# Altium PCB RFFE_Controller.PcbDoc (part 1 of 2) (continued)
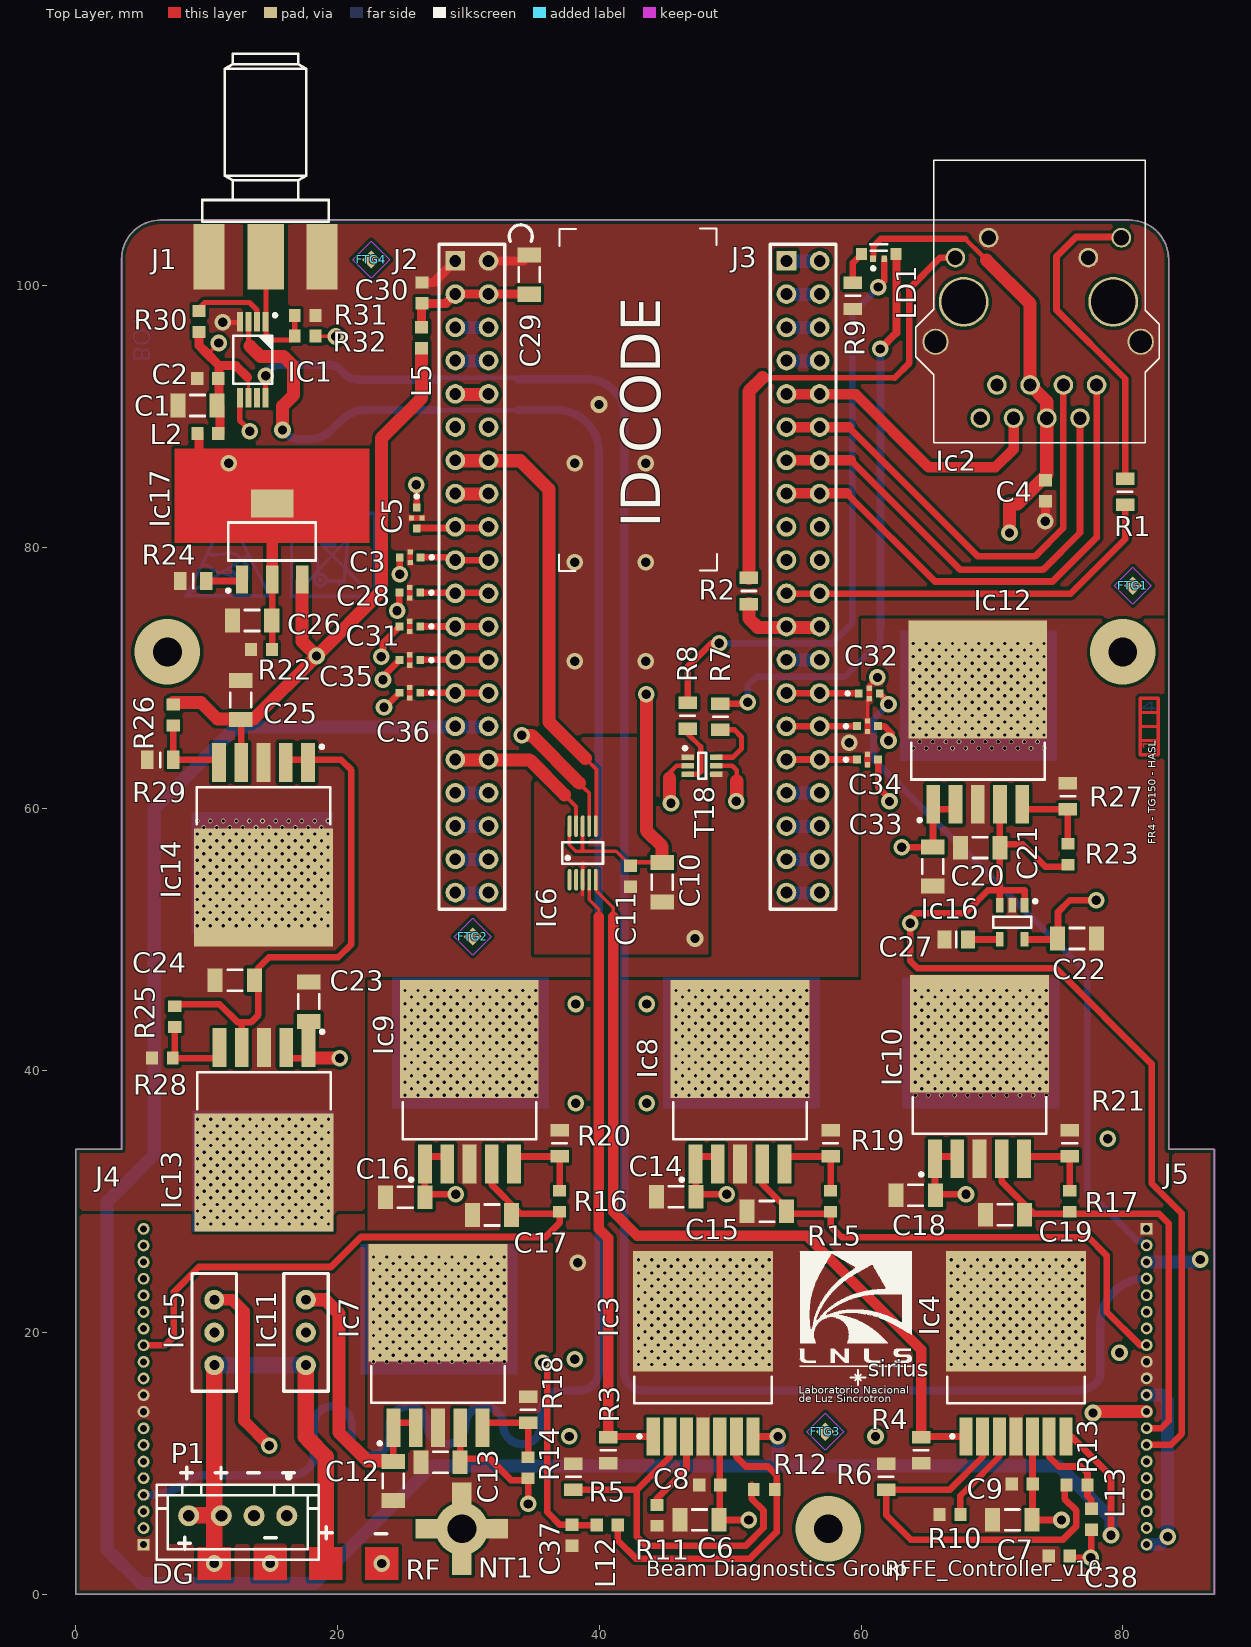
[diagram p0: Top Layer view]
## Footprints (in the part's own frame and the unit in brackets; to place one, negate y for a bottom-side part, rotate by r counter-clockwise, add the part's x,y. Pads: shape width x height; smd on the part's side, far side on the other; paste and mask are expansions set on the pad)
10-MSOP [mm] "TSSOP, 10-Leads, Body 3.1x3.1mm (max), Pitch 0.50mm, IPC Medium Density"
  oval 1.65x0.3 smd: 1(-2.05,1) 2(-2.05,0.5) 3(-2.05,0) 4(-2.05,-0.5) 5(-2.05,-1) 6(2.05,-1) 7(2.05,-0.5) 8(2.05,0) 9(2.05,0.5) 10(2.05,1)
  silkscreen extent -0.83,-1.55 0.82,1.55, body extent -1.55,-1.55 1.55,1.55, height 1.1
CAPC1608X87N [mm] "Chip Capacitor, Body 1.6x0.8mm IPC Medium Density"
  rect 0.95x1 smd: 1(-0.8,0) 2(0.8,0)
  body extent -0.87,-0.47 0.88,0.48, height 0.87
CAPC2012X135N [mm]
  rect 1.05x1.4 smd: 1(-0.9,0) 2(0.9,0)
  silkscreen extent 0,-0.58 0,0.58, body extent -1.05,-0.67 1.05,0.68, height 1.25
CAPC3216X180N [mm] "Chip Capacitor, Body 3.2x1.6mm, IPC Medium Density"
  rect 1.15x1.8 smd: 1(-1.5,0) 2(1.5,0)
  silkscreen extent -0.55,-0.8 0.55,0.8, body extent -1.7,-0.9 1.7,0.9, height 1.8
CAPC_MURATA_NFL18ST [mm] "EMIFIL Chip Capacitor, Body 1.6x0.8mm, MURATA NFL18ST Series"
  rect 0.6x0.6 smd: 1(-0.8,0) 3(0.8,0)
  rect 0.4x0.4 smd: 2(0,0.4) 2(0,-0.4)
  Top Layer region: -0.2,0.6 -0.2,-0.6 0.2,-0.6 0.2,0.6
  silkscreen extent -1.78,-0.12 -1.53,0.12
FIDUCIAL_TOP_S100-200 [mm] "Square Fiducial Target, Top Layer, 1.0mm, Top Solder 2.0mm, Keepout =2.0mm"
  rect 1x1 smd rot 45 paste-0.51 mask+0.5: 1(0,0)
  Top Layer keep-out region: 1.414,0 0,-1.414 -1.414,0 0,1.414
Filter_EMI_Radial-3 [mil]
  round 60 hole 30: 1(-98.43,0) 2(0,0) 3(98.43,0)
  silkscreen extent -177,-67 177,67, body extent -172,-62 172,62, height 315
INDC1608X95N [mm] "Chip Inductor, 2-Leads, EIA 0603, Metric 1608, Body 1.6x0.8mm, IPC Medium Density"
  rect 0.95x1 smd: 1(-0.8,0) 2(0.8,0)
  body extent -0.87,-0.47 0.88,0.48, height 0.95
J0006D21BNL [mm]
  round 1.5 hole 1: 1(0,0) 2(2.54,-1.27) 3(0,-2.54) 4(2.54,-3.81) 5(0,-5.08) 6(2.54,-6.35) 7(0,-7.62) 8(2.54,-8.89)
  round 1.5 hole 1.2: 9(-11.25,1.884)
  round 1.5 hole 1.1: 10(-9.731,-0.635) 11(-11.25,-8.255) 12(-9.731,-10.795)
  round 2 hole 1.7: 13(-3.301,3.365) 14(-3.301,-12.316)
  round 3.8 hole 3.4: 15(-6.35,1.27) 16(-6.35,-10.16)
  silkscreen extent -17.15,-13.82 4.43,4.78, body extent -17.15,-12.47 4.15,3.52, height 13
JOHNSON_142-0701-873 [mm] "SMA End Launch Straight Bulkhead Jack Receptacle - Round Contact"
  rect 5x2.794 smd: 1(0,0)
  rect 5x2.4 smd: 2(0,4.317) 2(0,-4.317)
  rect 5x2.4 smd far side: 2(0,4.317) 2(0,-4.317)
  silkscreen extent -15.53,-4.83 -2.7,4.83, body extent -15.53,-5.1 2.05,5.1, height 5.56
JST_B4B-XH-A(LF)(SN) [mm] "2.5mm Pitch, 4 Contacts Top Entry Type Shrouded Header"
  round 1.6 hole 0.9: 1(-3.75,0) 2(-1.25,0) 3(1.25,0) 4(3.75,0)
  silkscreen extent -6.2,-3.13 6.2,3.38, body extent -6.2,-2.37 6.2,3.38, height 7
LED_AVAGO_HSMF-C113 [mm] "Right Angle Tricolor Surface Mount ChipLED, Body 2.5x1mm"
  rect 0.85x0.9 smd: 1(-1.325,0) 4(1.325,0)
  rect 0.45x0.5 smd: 2(-0.425,-0.35) 3(0.425,-0.35)
  silkscreen extent -0.64,-1.22 0.64,0.75, body extent -1.25,-0.25 1.25,0.75, height 1
"Net Tie X 4 and hole 2.2" [mm]
  rect 1.5x2.75 all layers, no hole: 1(0,2.149) 3(0,-2.149)
  rect 2.75x1.5 all layers, no hole: 2(2.149,0) 4(-2.149,0)
RESC1608X55N [mm] "Chip Resistor, EIA 0603, Metric 1608, Body 1.6x0.8mm, IPC Medium Density"
  rect 0.9x1 smd: 1(-0.8,0) 2(0.8,0)
  body extent -0.87,-0.47 0.88,0.48, height 0.55
RESC2012X60N [mm]
  rect 0.95x1.4 smd: 1(-1,0) 2(1,0)
  silkscreen extent 0,-0.55 0,0.55, body extent -1.1,-0.67 1.1,0.68, height 0.6
SAMTEC_TFM-120-01-L-S-RA [mm]
  rect 0.905x0.905 hole 0.54: 1(-12.07,-0.48)
  round 0.905 hole 0.54: 2(-10.8,-0.48) 3(-9.53,-0.48) 4(-8.26,-0.48) 5(-6.99,-0.48) 6(-5.72,-0.48) 7(-4.45,-0.48) 8(-3.18,-0.48) 9(-1.91,-0.48) 10(-0.64,-0.48) 11(0.63,-0.48) 12(1.9,-0.48) 13(3.17,-0.48) 14(4.44,-0.48) 15(5.71,-0.48) 16(6.98,-0.48) 17(8.25,-0.48) 18(9.52,-0.48) 19(10.79,-0.48) 20(12.06,-0.48)
  body extent -14.29,-0.63 14.29,5.59, height 4.46
SOP65P640X120-8N [mm] "SOP, 0.65mm pitch; 8 pin, 4.40mm W X 3.00mm L X 1.20mm H body, IPC Medium Density"
  rect 1.5x0.45 smd: 1(-2.9,0.975) 2(-2.9,0.325) 3(-2.9,-0.325) 4(-2.9,-0.975) 5(2.9,-0.975) 6(2.9,-0.325) 7(2.9,0.325) 8(2.9,0.975)
  silkscreen extent -3.52,-1.5 1.83,1.83, body extent -3.2,-1.55 3.2,1.55, height 1.2
SOT65P210X110-6N [mm] "SOT363, SC70-6, SOT, 0.65mm Pitch, 6 pin, 1.25mm W X 2.00mm L X 1.10mm H, IPC Medium Density"
  rect 0.95x0.4 smd: 1(-1.1,0.65) 2(-1.1,0) 3(-1.1,-0.65) 4(1.1,-0.65) 5(1.1,0) 6(1.1,0.65)
  silkscreen extent -1.42,-1 0.3,1.47, body extent -1.2,-1.1 1.2,1.1, height 1.1
SOT95P280X145-5N [mm] "SOT, 0.95mm pitch; 5 pin, 1.60mm W X 2.90mm L X 1.45mm H body, IPC Medium Density"
  rect 1.1x0.6 smd: 1(-1.3,0.95) 2(-1.3,0) 3(-1.3,-0.95) 4(1.3,-0.95) 5(1.3,0.95)
  silkscreen extent -1.72,-1.45 0.43,1.88, body extent -1.4,-1.5 1.4,1.5, height 1.45
SOT230P700X180-4N [mm] "SOT223, 2.30mm pitch; 3 pin, 3.70mm W X 6.70mm L, IPC Medium Density"
  rect 2.15x0.95 smd: 1(-2.9,2.3) 2(-2.9,0) 3(-2.9,-2.3)
  rect 2.15x3.25 smd: 4(2.9,0)
  silkscreen extent -3.87,-3.35 1.45,3.47, body extent -3.65,-3.35 3.65,3.35, height 1.81
TO170P1394X457-6N-R900X1060 [mm] "TO, 1.70mm Pitch; 5 Pin, 13.945mm L X 8.89mm W X 4.572mm H body, IPC Medium Density"
  rect 2.95x1.05 smd: 1(-6.3,3.4) 2(-6.3,1.7) 3(-6.3,0) 4(-6.3,-1.7) 5(-6.3,-3.4)
  rect 9x10.6 smd: 6(3.25,0)
  silkscreen extent -7.62,-5.1 -1.6,5.1, body extent -6.93,-5.27 7.11,5.27, height 4.63
TO-263-7-D2PAK-7 [mm]
  rect 2.9x1 smd: 1(-6.353,3.807) 2(-6.353,2.537) 3(-6.353,1.267) 4(-6.353,-0.003) 5(-6.353,-1.273) 6(-6.353,-2.543) 7(-6.353,-3.813)
  rect 9.2x10.7 smd: 8(3.197,-0.003)
  silkscreen extent -6.48,-5.25 -1.8,5.25, body extent -7.34,-5.2 8.33,5.2, height 4.5
TYCO_2-534998-0 [mm]
  rect 1.5x1.5 hole 0.9: 1(0,0)
  round 1.5 hole 0.9: 2(2.54,0) 3(0,-2.54) 4(2.54,-2.54) 5(0,-5.08) 6(2.54,-5.08) 7(0,-7.62) 8(2.54,-7.62) 9(0,-10.16) 10(2.54,-10.16) 11(0,-12.7) 12(2.54,-12.7) 13(0,-15.24) 14(2.54,-15.24) 15(0,-17.78) 16(2.54,-17.78) 17(0,-20.32) 18(2.54,-20.32) 19(0,-22.86) 20(2.54,-22.86) 21(0,-25.4) 22(2.54,-25.4) 23(0,-27.94) 24(2.54,-27.94) 25(0,-30.48) 26(2.54,-30.48) 27(0,-33.02) 28(2.54,-33.02) 29(0,-35.56) 30(2.54,-35.56) 31(0,-38.1) 32(2.54,-38.1) 33(0,-40.64) 34(2.54,-40.64) 35(0,-43.18) 36(2.54,-43.18) 37(0,-45.72) 38(2.54,-45.72) 39(0,-48.26) 40(2.54,-48.26)
  silkscreen extent -1.24,-49.53 3.78,1.27, body extent -1.24,-49.53 3.78,1.27, height 6.22

## Part data
C1 C6 C7 C10 C12 C13 C14 C15 C16 C17 C18 C19 C20 C21 C22 C23 C24 C25 C26 C29: library part CC1206_10UF_25V_10%_X7R, "Non-polarised capacitor", Case=1206, Manufacturer=GENERIC, Manufacturer1 ComponentHeight=1.8mm, Manufacturer1 Example=KEMET, Manufacturer1 Part Number=C1206C106K4RACTU, Manufacturer Part Number=CC1206_10uF_25V_10%_X7R, Tolerance=±10%, Voltage=25V, Author="CERN DEM JLC", Component Type=Standard, CreateDate=12/09/2012, HelpURL=\\cern.ch\dfs\Applications\Altium\Datasheets\CC1206_X7R_KEMET.pdf, LatestRevisionDate=12/09/2012, Mounted=Yes, Part Description="SMD Multilayer Chip Ceramic Capacitor", Part Number=CC1206_10UF_25V_10%_X7R, Pin Count=2, Sense=No, SMD=Yes, Socket=No, Status=Preferred, TC=X7R
C2 C4 C8 C9 C11 C30 C37 C38: library part CC0603_100NF_50V_10%_X7R, "Non-polarised capacitor", Case=0603, Manufacturer=GENERIC, Manufacturer1 ComponentHeight=0.87mm, Manufacturer1 Example=PHYCOMP, Manufacturer1 Part Number=223858615649, Tolerance=±10%, Voltage=50V, Author="CERN DEM JLC", Component Type=Standard, CreateDate=03/12/2007, HelpURL=\\cern.ch\dfs\Applications\Altium\Datasheets\CC0603_X7R_PHYCOMP.pdf, LatestRevisionDate=03/12/2007, Manufacturer Part Number=CC0603_100NF_50V_10%_X7R, Mounted=Yes, Part Description="SMD Multilayer Chip Ceramic Capacitor", Part Number=CC0603_100NF_50V_10%_X7R, Pin Count=2, Sense=No, SMD=Yes, Socket=No, Status=Preferred, TC=X7R
C3 C5 C28 C31 C32 C33 C34 C35 C36: library part CEMIF_110PF/350NF_50V_MURATA_NFL18ST506H1A3D, "EMI Filter (LC Combined)", Case=0603, Manufacturer=MURATA, Manufacturer Part Number=NFL18ST506H1A3D, Tolerance=+50%-20%, Voltage=10V, Author="CERN DEM JLC", ComponentHeight=0.7mm, Component Type=Standard, CreateDate=18/11/2014, HelpURL=\\cern.ch\dfs\Applications\Altium\Datasheets\CEMIF_MURATA_NFL18ST.pdf, LatestRevisionDate=18/11/2014, Mounted=Yes, Part Description="Chip EMIFIL® LC Combined Monolithic, NFL18ST Series", Part Number=CEMIF_110PF/350NF_50V_MURATA_NFL18ST506H1A3D, Pin Count=2, Sense=No, SMD=Yes, Socket=No, Status=None
C27: library part CC0805_10NF_50V_5%_C0G, "Non-polarised capacitor", Case=0805, Manufacturer=GENERIC, Manufacturer1 ComponentHeight=0.88mm, Manufacturer1 Example=KEMET, Manufacturer1 Part Number=C0805C103J5GACTU, Tolerance=±5%, Voltage=50V, Author="CERN DEM JLC", Component Type=Standard, CreateDate=02/02/2011, HelpURL="\\cern.ch\dfs\Applications\Altium\Datasheets\CC0805_C0G_KEMET_(Commercial Grade).pdf", LatestRevisionDate=22/04/2015, Manufacturer Part Number=CC0805_10NF_50V_5%_C0G, Mounted=Yes, Part Description="SMD Multilayer Chip Ceramic Capacitor", Part Number=CC0805_10NF_50V_5%_C0G, Pin Count=2, Sense=No, SMD=Yes, Socket=No, Status=None, TC=C0G/NP0
FTG1 FTG2 FTG3 FTG4: library part FIDUCIAL_TARGET_S100-200, "Fiducial Target", Author="CERN DEM JLC", ComponentHeight=0mm, Component Type="Standard (No BOM)", CreateDate=09/02/2010, Family=Fiducial, HelpURL=Undefined, LatestRevisionDate=04/04/2012, Mounted=No, PackageDescription="Square Fiducial Target, Top Layer, 1.0mm, Top Solder 2.0mm, Keepout =2.0mm", Part Description="Square Fiducial Target, Top Layer, 1.0mm, Top Solder 2.0mm, Keepout =2.0mm", Part Number=FIDUCIAL_TARGET_S100-200, Pin Count=1, Sense=No, SMD=Yes, Socket=No, Status=None
IC1: "3.3 V and 2.5 V LVCMOS 1:3 High-Performance Clock Buffer", Case=TSSOP8, Manufacturer="TEXAS INSTRUMENTS", Author="CERN DEM JMW", Bonding=No, ComponentHeight=1.2mm, Component Type=Standard, CreateDate=06/09/2011, Device=CDCLVC1103PW, HelpURL=\\cern.ch\dfs\Applications\Altium\Datasheets\CDCLVC1103PW.pdf, LatestRevisionDate=06/09/2011, Manufacturer Part Number=CDCLVC1103PW, Mounted=Yes, PackageDescription="SOP, 0.65mm pitch; 8 pin, 4.40mm W X 3.00mm L X 1.20mm H body, IPC Medium Density", Part Description="3.3 V and 2.5 V LVCMOS 1:3 High-Performance Clock Buffer", Part Number=CDCLVC1103PW, Pin Count=8, PressFit=No, Sense=No, SMD=Yes, Socket=No
Ic2: library part J0006D21BNL, "CONN MAGJACK 1PORT 100 BASE-TX", LED Color="Green - Yellow", Manufacturer="Pulse Electronics Corporation", Operating Temperature="0°C ~ 70°C", Applications="10/100 Base-TX, AutoMDIX", Author="LNLS DIG FCS", Category="Connectors, Interconnects", ComponentHeight=13.84mm, ComponentLink1Description=http://productfinder.pulseeng.com/products/datasheets/J403.pdf, ComponentLink1URL=http://productfinder.pulseeng.com/products/datasheets/J403.pdf, Component Type=Standard, Connector Type=RJ45, Contact Finish=Gold, Contact Finish Thickness="15µin (0.38µm)", Contact Material="Phosphor Bronze", CreateDate=28/06/2016, Family=RJ45, Features="Board Guide", Height Above Board="0.545\" (13.84mm)", HelpURL=http://productfinder.pulseeng.com/products/datasheets/J403.pdf, Housing Material=Thermoplastic, LatestRevisionDate=28/06/2016, Manufacturer Part Number=J0006D21BNL, Mounted=Yes, Mounting Type="Through Hole", Number of Cores per Jack=4, Number of Ports=1, Number of Rows=1, Orientation="90° Angle (Right)", Packaging=Bulk, Part Description="1 Port, 1x1 Tab-Down 10/100BASE-TX RJ45 FastJack Connector Module With LEDs Y/G", Part Number=J0006D21BNL, Pin Count=16, PressFit=No, Pricing 1="1=6.38, 25=5.586, 50=5.32, 100=5.054, 250=4.522, 500=4.256, 1000=3.724, 2500=3.5378, 5000=3.458 (USD)", RoHS="RoHS Compliant", Sense=No, Shielding=Shielded, Shield Material=Brass, SMD=No, Socket=No, Status=None, Stock 1=1565, Supplier 1=Digi-Key, Supplier Part Number 1=J0006D21BNL, Tab Direction=Down, Termination=Solder
Ic3 Ic4: "IC OPAMP PWR 1MHZ SGL D2PAK-7", Case=TO-263-7, Current - Input Bias=100nA, Current - Output / Channel=5A, Current - Supply=17mA, Manufacturer="TEXAS INSTRUMENTS", Operating Temperature="-40°C ~ 85°C", Package / Case="TO-263-8, D²Pak (7 Leads + Tab), TO-263CA", Supplier Device Package=DDPAK/TO-263-7, Supplier Part Number 1=OPA548F/500, Voltage - Input Offset=2mV, Voltage - Supply, Single/Dual (±)="8 V ~ 60 V, ±4 V ~ 30 V", -3db Bandwidth=-, Amplifier Type=Power, Author="LNLS DIG FCS", Bonding=No, Category="Integrated Circuits (ICs)", ComponentHeight=5.00mm, ComponentLink1Description=http://www.ti.com/lit/ds/symlink/opa548.pdf, ComponentLink1URL=http://www.ti.com/lit/ds/symlink/opa548.pdf, Component Type=Standard, CreateDate=30/06/2016, Device=OPA548FKTWT, Gain Bandwidth Product=1MHz, HelpURL=http://www.ti.com/lit/ds/symlink/opa548.pdf, LatestRevisionDate=30/06/2016, Manufacturer Part Number=OPA548FKTWT, Mounted=Yes, Mounting Type="Surface Mount", Number of Circuits=1, Output Type=-, PackageDescription="TO-263 7 Leads - SMD - D2PAK-7", Packaging=Digi-Reel®, Part Description="IC OPAMP PWR 1MHZ SGL D2PAK-7", Part Number=OPA548FKTWT, Pin Count=7, PressFit=No, Pricing 1="1=16.22, 10=14.721, 25=13.6488 (USD)", RoHS="RoHS Compliant", Sense=No, Slew Rate="10 V/µs", SMD=Yes, Socket=No, Stock 1=1164, Supplier 1=Digi-Key
Ic6: Manufacturer="Texas Instruments", Operating Temperature="-40°C ~ 105°C", Package / Case="10-TFSOP, 10-MSOP (0.118\", 3.00mm Width)", Power Dissipation (Max)=3.5mW, Supplier Device Package=10-MSOP, Voltage Supply Source="Single Supply", Category="Integrated Circuits (ICs)", ComponentLink1Description=http://www.ti.com/lit/ds/symlink/dac7554.pdf, ComponentLink1URL=http://www.ti.com/lit/ds/symlink/dac7554.pdf, DAC7554=296-17551-5-ND, Data Interface="Serial, SPI™", Mounting Type="Surface Mount", Number of Bits=12, Number of Converters=4, Number of Outputs and Type="4 Voltage, Unipolar", Packaging=Tube, Pricing="1=12.62, 10=10.51, 100=6.88, 250=6.56, 500=6.43 (GBP)", Pricing 1="1=11.48, 10=10.44, 100=7.047, 250=6.91652, 500=6.786, 750=6.65551, 1000=6.525 (USD)", RoHS="RoHS Compliant", Settling Time=5µs, Stock=63, Stock 1=1057, Supplier 1=Digi-Key, Supplier 2=Farnell
Ic7 Ic8 Ic9 Ic10 Ic12 Ic13 Ic14: "3A, Fast Transient Response, Low Noise, LDO Regulators", Case=TO-263, Manufacturer="LINEAR TECHNOLOGY", Author="LNLS DIG GBMB", Bonding=No, ComponentHeight=4.57mm, Component Type=Standard, CreateDate=17/02/2017, Device=LT1764AEQ#PBF, LatestRevisionDate=17/02/2017, Manufacturer Part Number=LT1764AEQ#PBF, Mounted=Yes, PackageDescription="TO, 1.70mm Pitch; 5 Pin, 13.945mm L X 8.89mm W X 4.572mm H body, IPC Medium Density", Part Description="2.5V 3A, Fast Transient Response, Low Noise, LDO Regulators", Part Number=LT1764AEQ#PBF, Pin Count=6, PressFit=No, Sense=No, SMD=Yes, Socket=No
Ic11 Ic15: "FILTER EMI 100PF 350-500MHZ 5A", Attenuation Value="25dB @ 350MHz ~ 500MHz", Case="Radial - 3 Leads", Center / Cutoff Frequency=-, Current=5A, Manufacturer="Bourns Inc.", Operating Temperature="-25°C ~ 85°C", Resistance - Channel (Ohms)=0.05, Supplier Part Number 1=EMI_Filter, Values="C = 100pF", Applications="General Purpose", Author="LNLS DIG FCS", Bonding=No, Category=Filters, ComponentHeight=8mm, ComponentLink1Description=http://www.bourns.com/data/global/pdfs/emi_t_series.pdf, ComponentLink1URL=http://www.bourns.com/data/global/pdfs/emi_t_series.pdf, Component Type=Standard, CreateDate=04/07/2016, Device=EMI101T-RC, ESD Protection=No, Filter Order=3rd, Height="0.315\" (8.00mm)", HelpURL=http://www.bourns.com/docs/Product-Datasheets/emi_t_series.pdf, LatestRevisionDate=04/07/2016, Manufacturer Part Number=EMI101T-RC, Mounted=Yes, Number of Channels=1, Package / Case="Radial - 3 Leads", PackageDescription="3 Leads In-Line Package, Pitch 2.54mm", Packaging="Cut Tape (CT)", Part Description="LC (T-Type) Low Pass Filter 1 Channel 5A 25dB @ 350MHz ~ 500MHz Radial - 3 Leads", Part Number=EMI101T-RC, Pin Count=3, PressFit=No, Pricing 1="1=0.27, 10=0.255, 25=0.2428, 50=0.2352, 100=0.2273, 250=0.21552, 500=0.18026, 1000=0.1399 (USD)", RoHS="Vendor undefined", Sense=No, Size / Dimension="0.354\" L x 0.126\" W (9.00mm x 3.20mm)", SMD=No, Socket=Yes, Stock 1=15905, Supplier 1=Digi-Key, Technology="LC (T-Type)", Type="Low Pass"
Ic16: "Single Output LDO, 200mA, Fixed (3.3V), High PSRR, Low Noise", Case=SOT23-5, Manufacturer="TEXAS INSTRUMENTS", Manufacturer Part Number=TPS73033DBVT, Author="LNLS DIG FCS", Bonding=No, ComponentHeight=1.45mm, Component Type=Standard, CreateDate=01/07/2016, Device=TPS73030DBVT, HelpURL=http://www.ti.com/lit/ds/symlink/tps730.pdf, LatestRevisionDate=01/07/2016, Mounted=Yes, PackageDescription="SOT, 0.95mm pitch; 5 pin, 1.60mm W X 2.90mm L X 1.45mm H body, IPC Medium Density", Part Description="Single Output LDO, 200mA, Fixed (3.0V), High PSRR, Low Noise Linear Regulator", Part Number=TPS73030DBVT, Pin Count=5, PressFit=No, Sense=No, SMD=Yes, Socket=No
Ic17: "200mA, Programmable Current Source", Case=SOT223, Manufacturer="LINEAR TECHNOLOGY", Author="LNLS DIG FCS", Bonding=No, ComponentHeight=1.8mm, Component Type=Standard, CreateDate=04/07/2016, Device=LT3080EST#PBF, HelpURL=http://cds.linear.com/docs/en/datasheet/3080fc.pdf, LatestRevisionDate=04/07/2016, Manufacturer Part Number=LT3080EST#PBF, Mounted=Yes, PackageDescription="SOT223, 2.30mm pitch; 3 pin, 3.70mm W X 6.70mm L, IPC Medium Density", Part Description="0 To 36V Adjustable 1.1A Single Resistor Low Dropout Regulator", Part Number=LT3080EST#PBF, Pin Count=4, PressFit=No, Sense=No, SMD=Yes, Socket=No
J1: library part JOHNSON_142-0701-873, Manufacturer=JOHNSON, Manufacturer Part Number=142-0701-873, Author="CERN DEM JLC", ComponentHeight=8.05mm, Component Type=Standard, CreateDate=11/05/2009, Family=SMA, HelpURL=\\cern.ch\dfs\Applications\Altium\Datasheets\JOHNSON_142-0701-873.pdf, LatestRevisionDate=11/05/2009, Mounted=Yes, Part Description="SMA End Launch Straight Bulkhead Jack Receptacle - Round Contact", Part Number=JOHNSON_142-0701-873, Pin Count=2, PressFit=No, Sense=No, SMD=No, Socket=No, Status=None
J2 J3: library part TYCO_2-534998-0, "Connector 40 Male", Manufacturer="TYCO ELECTRONICS", Manufacturer Part Number=2-534998-0, Author="LNLS DIG FCS", ComponentHeight=6.22mm, Component Type=Standard, CreateDate=28/06/2016, Family=AMP-LATCH, HelpURL=http://www.te.com/commerce/DocumentDelivery/DDEController?Action=srchrtrv&DocNm=534998&DocType=Customer+Drawing&DocLang=English, LatestRevisionDate=28/06/2016, Mounted=Yes, Part Description="40 Contacts, Vertical Low Profile IDC Shrouded Header with Ejection Latches", Part Number=TYCO_2-534998-0, Pin Count=40, PressFit=No, Sense=No, SMD=No, Socket=No, Status=None
J4 J5: library part SAMTEC_TFM-120-01-L-S-RA, "Connector 20 Male", Manufacturer=SAMTEC, Manufacturer Part Number=TFM-120-01-L-S-RA, Author="LNLS DIG FCS", ComponentHeight=4.45mm, Component Type=Standard, CreateDate=30/06/2016, Family="Header 20", HelpURL=http://suddendocs.samtec.com/catalog_english/tfm.pdf, LatestRevisionDate=30/06/2016, Mounted=Yes, Part Description="20 Contacts - Pitch 1.27mm - Single Row Right Angle Header", Part Number=SAMTEC_TFM-120-01-L-S-RA, Pin Count=20, PressFit=No, Sense=No, SMD=No, Socket=No, Status=None
L2 L5 L12 L13: library part IND0603_MURATA_BLM18HE102SN1, "Inductor", Case=0603, Manufacturer=MURATA, Manufacturer Part Number=BLM18HE102SN1, Power=600mA, Resistance=0.35R, Tolerance=±25%, Author="CERN DEM JLC", ComponentHeight=0.95mm, Component Type=Standard, CreateDate=09/12/2013, HelpURL=\\cern.ch\dfs\Applications\Altium\Datasheets\IND0603_MURATA_BLM18H.pdf, LatestRevisionDate=09/12/2013, Mounted=Yes, Part Description="SMD EMIFIL Suppression Chip Ferrite Bead", Part Number=IND0603_MURATA_BLM18HE102SN1, Pin Count=2, Sense=No, SMD=Yes, Socket=No, Status=None
LD1: library part LED_AVAGO_HSMF-C113, "Tricolor LEDs 1 Cathode Blue, 2 Common Anode, 3 Cathode Red, 4 Cathode Green", Manufacturer="AVAGO TECHNOLOGIES", Manufacturer Part Number=HSMF-C113, Author="CERN DEM JLC", Bonding=No, Color=Blue/Red/Green, ComponentHeight=1mm, Component Type=Standard, CreateDate=29/09/2010, HelpURL=\\cern.ch\dfs\Applications\Altium\Datasheets\LED_AVAGO_HSMF-C113.pdf, LatestRevisionDate=29/09/2010, Mounted=Yes, PackageDescription="Right Angle Tricolor Surface Mount ChipLED, Body 2.5x1mm", Part Description="Right Angle Tricolor (Blue, Red, Green) Surface Mount ChipLED", Part Number=LED_AVAGO_HSMF-C113, Pin Count=4, PressFit=No, Sense=No, SMD=Yes, Socket=No
P1: library part JST_B4B-XH-A(LF)(SN), "Connector 4 Male", Manufacturer="JST (JAPAN SOLDERLESS TERMINALS)", Manufacturer Part Number=B4B-XH-A(LF)(SN), Author="CERN DEM JLC", ComponentHeight=7mm, Component Type=Standard, CreateDate=14/08/2014, Family="Header 4", HelpURL=\\cern.ch\dfs\Applications\Altium\Datasheets\JST_B4B-XH-A(LF)(SN).pdf, LatestRevisionDate=14/08/2014, Mounted=Yes, Part Description="4 Contacts, 2.5mm Pitch, Top Entry Type Shrouded Header", Part Number=JST_B4B-XH-A(LF)(SN), Pin Count=4, PressFit=No, Sense=No, SMD=No, Socket=No, Status=None
R1 R2 R7 R8 R9: library part R0805_220R_1%_0.125W_100PPM, "Resistor - 1%", Case=0805, Manufacturer=GENERIC, Manufacturer1 ComponentHeight=0.6mm, Manufacturer1 Example="NIC COMPONENT", Manufacturer1 Part Number=NRC10F2200TRF, Power=0.125W, Tolerance=±1%, Author="CERN DEM JLC", Component Type=Standard, CreateDate=03/12/2007, HelpURL=\\cern.ch\dfs\Applications\Altium\Datasheets\R0805_NIC_NRC.pdf, LatestRevisionDate=13/03/2008, Manufacturer Part Number=R0805_220R_1%_0.125W_100PPM, Mounted=Yes, Part Description="General Purpose Thick Film Chip Resistor", Part Number=R0805_220R_1%_0.125W_100PPM, Pin Count=2, Sense=No, SMD=Yes, Socket=No, Status=Preferred, TC=±100ppm/°C
R3 R4 R5 R6: library part R0805_10K_1%_0.125W_100PPM, "Resistor - 1%", Case=0805, Manufacturer=GENERIC, Manufacturer1 ComponentHeight=0.6mm, Manufacturer1 Example="NIC COMPONENT", Manufacturer1 Part Number=NRC10F1002TRF, Power=0.125W, Tolerance=±1%, Author="CERN DEM JLC", Component Type=Standard, CreateDate=03/12/2007, HelpURL=\\cern.ch\dfs\Applications\Altium\Datasheets\R0805_NIC_NRC.pdf, LatestRevisionDate=13/03/2008, Manufacturer Part Number=R0805_10K_1%_0.125W_100PPM, Mounted=Yes, Part Description="General Purpose Thick Film Chip Resistor", Part Number=R0805_10K_1%_0.125W_100PPM, Pin Count=2, Sense=No, SMD=Yes, Socket=No, Status=Preferred, TC=±100ppm/°C